# KiCad board pi60_RGB_v2.0_usb.kicad_pcb (continued)
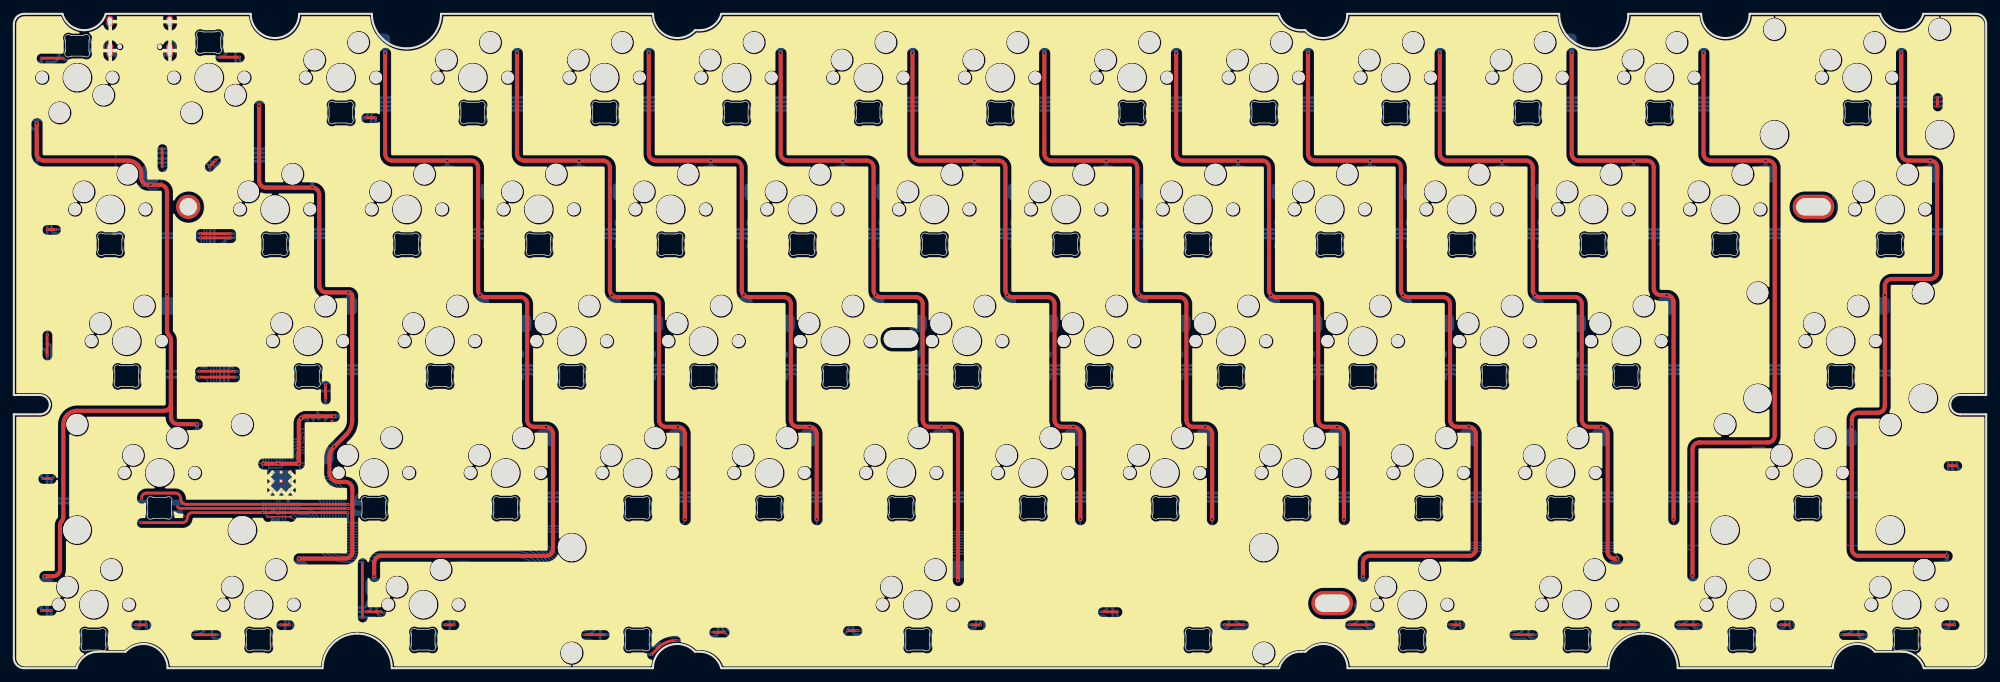
[diagram p0: board, top side]
## Routing (per net, layer and track width the routed paths; a pad name or vN(x,y) marks a point on that pad's centre or on a via; arc(x,y) is an arc through that point) (continued)
Net-(D136-DIN): length 14.7
  Bottom w0.4: D136.4 arc(279.75,85.64) 279.56,85.2 279.56,83.36 arc(279.12,82.3) 278.06,81.86 269.62,81.86 arc(269.13,81.65) 268.92,81.16
Net-(D136-DOUT): length 18.9
  Bottom w0.4: D137.4 arc(281.48,66.96) 281.66,67.4 281.66,84.35 arc(281.48,84.79) D136.2
Net-(D137-DOUT): length 9.4
  Bottom w0.4: D137.2 280.19,64.31 arc(279.75,63.25) 278.69,62.81 274.39,62.81 arc(273.89,62.6) 273.69,62.11
Net-(D138-DOUT): length 19.3
  Bottom w0.4: D139.4 280.14,28.73 280.14,34.59 arc(279.95,35.54) 279.41,36.34 arc(278.87,37.15) 278.68,38.1 278.68,38.11 arc(278.87,39.07) 279.42,39.88 279.86,40.33 arc(280.73,41.63) 281.04,43.17 D138.2
Net-(D140-DOUT): length 2.9
  Bottom w0.4: D140.2 5.55,87.61 arc(6.26,87.9) 6.55,88.61 D62.4
Net-(D141-DIN): length 11.1
  Bottom w0.4: D141.4 arc(5.25,66.59) 5.44,66.15 5.44,63.41 arc(5.61,62.99) 6.04,62.81 9.01,62.81 arc(9.79,62.49) 10.11,61.72 10.11,61.52 arc(10.41,60.81) 11.11,60.52
Net-(D141-DOUT): length 18.2
  Bottom w0.4: D142.4 D141.2
Net-(D142-DOUT): length 12.6
  Bottom w0.4: 13.69,41.47 12.78,41.47 arc(12.58,41.55) 12.49,41.76 arc(11.91,43.17) 10.49,43.76 8.69,43.76 8.69,43.76 6.44,43.76 arc(5.73,44.05) 5.44,44.76 5.44,46.25 arc(5.25,46.69) D142.2
Net-(D143-DOUT): length 20.4
  Bottom w0.4: D144.2 3.67,9.63 arc(3.04,9.89) 2.77,10.53 2.77,13.16 arc(2.85,13.53) 3.05,13.85 arc(3.26,14.16) 3.34,14.53 3.34,28.05 arc(3.52,28.49) D143.2
Net-(D145-DIN): length 15.7
  Bottom w0.4: D145.4 arc(19.54,9.44) 19.73,9 19.73,6.36 arc(20,5.7) 20.66,5.43 26.15,5.43 arc(26.86,5.72) 27.15,6.43 27.15,9 arc(27.33,9.44) D157.2
Net-(D146-DIN): length 9.2
  Bottom w0.4: D158.2 51.39,9.63 arc(51.09,9.5) 50.96,9.2 arc(50.84,8.9) 50.54,8.78 D146.4
Net-(D147-DIN): length 23.8
  Bottom w0.4: D147.4 66.73,6.43 arc(67.02,5.73) 67.73,5.43 82.51,5.43 arc(83.21,5.73) 83.51,6.43 83.51,9 arc(83.69,9.44) D159.2
Net-(D148-DOUT): length 7.8
  Bottom w0.4: D159.4 84.98,8.64 arc(84.8,8.36) 84.73,8.03 84.73,4.37 arc(85.02,3.66) 85.73,3.37 D148.2
Net-(D149-DIN): length 8.2
  Bottom w0.4: D149.4 arc(204.86,5.43) 205.42,5.66 207.75,5.66 arc(208.17,5.84) 208.35,6.26 208.35,9 arc(208.53,9.44) D150.2
Net-(D150-DIN): length 15.2
  Bottom w0.4: 209.81,8.78 209.6,8.57 209.6,6.43 arc(209.89,5.72) 210.6,5.43 216.65,5.43 arc(217.36,5.72) 217.65,6.43 217.65,9 arc(217.83,9.44) D163.2
Net-(D151-DIN): length 8.2
  Bottom w0.4: 232.77,9.63 arc(232.33,9.44) 232.15,9 232.15,6.26 arc(231.97,5.84) 231.55,5.66 229.24,5.66 arc(228.67,5.43) D151.4
Net-(D151-DOUT): length 8.9
  Bottom w0.4: 223.22,3.35 222.38,3.35 arc(221.41,4) 220.26,4.23 219.5,4.23 arc(219.08,4.4) 218.9,4.83 218.9,8.23 arc(218.96,8.53) D163.4
Net-(D152-DIN): length 8.2
  Bottom w0.4: D152.4 242.94,8.64 arc(242.75,8.36) 242.69,8.03 242.69,6.26 arc(242.86,5.84) 243.29,5.66 243.37,5.66 arc(243.83,5.57) 244.22,5.31 246.16,3.37 D153.2
Net-(D152-DOUT): length 12.3
  Bottom w0.4: 233.63,8.78 233.63,8.68 arc(233.45,8.41) 233.38,8.08 233.38,7.86 arc(233.67,7.16) 234.38,6.86 240.46,6.86 arc(241.17,7.16) 241.46,7.86 241.46,9 arc(241.65,9.44) D152.2
Net-(D153-DIN): length 8.2
  Bottom w0.4: 256.61,9.63 arc(256.17,9.44) 255.99,9 255.99,6.26 arc(255.81,5.84) 255.39,5.66 253.06,5.66 arc(252.5,5.43) 252.27,4.87
Net-(D154-DIN): length 8.9
  Bottom w0.4: 270.86,3.35 270.02,3.35 arc(269.05,4) 267.9,4.23 267.14,4.23 arc(266.71,4.4) 266.54,4.83 266.54,8.23 arc(266.59,8.53) 266.76,8.78
Net-(D154-DOUT): length 15.2
  Bottom w0.4: 257.44,8.78 257.24,8.57 257.24,6.43 arc(257.53,5.72) 258.24,5.43 264.29,5.43 arc(264.99,5.72) 265.29,6.43 265.29,9 arc(265.47,9.44) 265.91,9.63
Net-(D155-DIN): length 8.2
  Bottom w0.4: 280.41,9.63 arc(279.97,9.44) 279.79,9 279.79,6.26 arc(279.61,5.84) 279.19,5.66 276.87,5.66 arc(276.31,5.43) 276.08,4.87
Net-(R4-Pad2): length 26.1
  Bottom w0.4: 30.99,50.45 30.99,39.31 arc(31.28,38.6) 31.99,38.31 42.05,38.31 arc(43.46,37.73) 44.05,36.31 R4.2
Net-(U2-USB_DM): length 2.4
  Bottom w0.2: U2.46 37.22,32.6 R2.2
Net-(U2-USB_DP): length 2.4
  Bottom w0.2: R1.2 37.62,32.6 U2.47

## Copper pours and planes (outline as drawn; the poured copper is in the pictures)
GND on Top, Bottom: -0.37,94.92 285.37,94.92 285.37,-0.32 -0.37,-0.32

## Text on the board
B.Mask: pi60RGB v2.0 by 1upkeyboards.com
